# KiCad board Sofle_Pico_Panel.kicad_pcb (continued)
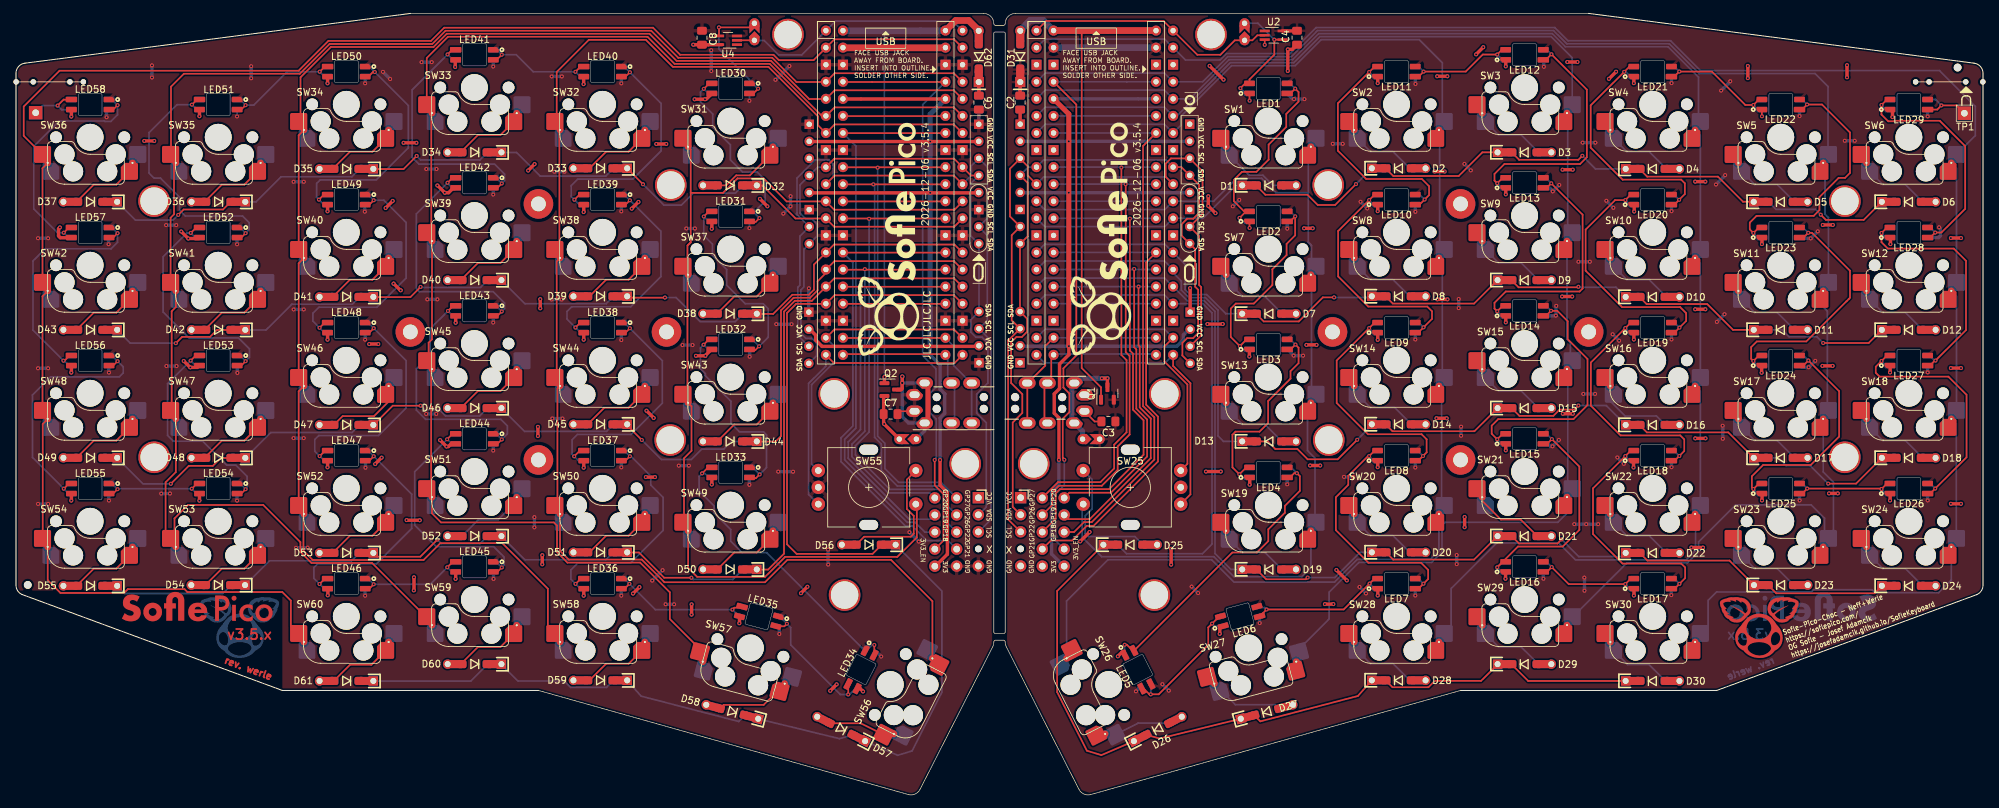
[diagram p0: board, top side]
## Routing (per net, layer and track width the routed paths; a pad name or vN(x,y) marks a point on that pad's centre or on a via; arc(x,y) is an arc through that point) (continued)
/Sec/col3: length 207.9
  Top w0.25: 102.14,19.75 102.14,21.22 97.25,26.12 97.25,30.1 92.82,34.52 82.01,34.52 80.46,36.07 80.46,40.03 80,40.5 63.22,40.5 61.86,41.85 61.86,44.24 ; 61.75,63.17 61.75,44.35 ; 61.86,82.34 61.86,67.75 61.36,67.25 61.36,63.79 61.86,63.29 ; 140.77,100.97 139.48,102.27 121.75,102.27 120.45,100.97 ; 61.86,101.39 61.09,102.16 61.09,109.61 64.25,112.77 93.92,112.77 97.95,108.75 112.1,108.75 119.87,100.97 120.2,100.97 ; 61.76,101.29 61.76,84.27
/Sec/col4: length 214.7
  Top w0.25: 80.81,79.94 80.81,98.79 ; 140.77,98.43 139.48,99.73 121.75,99.73 120.45,98.43 119.27,99.61 119.27,100.93 111.91,108.3 97.7,108.3 93.67,112.32 85.2,112.32 80.41,107.54 80.41,99.39 80.91,98.89 ; 137.2,19.26 136.29,20.16 136.29,28.78 130.15,34.92 114.72,34.92 111.4,31.6 96.44,31.6 93.07,34.97 82.2,34.97 80.91,36.25 80.91,41.74 80.52,42.13 80.52,60.4 80.91,60.79 80.41,61.29 80.41,79.34 80.91,79.84
  Bottom w0.25: 135.52,21.51 136.29,20.74 136.29,20.23
/Sec/col5: length 148.2
  Top w0.25: 99.96,96.39 100.35,96 100.35,89.55 ; 99.97,81.8 100.35,82.18 ; 99.97,81.8 99.86,81.7 99.86,58.39 ; 99.97,81.8 100.35,82.18 ; 99.96,58.29 100.46,57.79 100.46,51.16 99.35,50.05 99.35,40.65 ; 99.96,39.24 99.96,33.74 101.31,32.4 111.41,32.4 114.38,35.37 131.07,35.37 133.97,38.27 133.97,43.05 ; 100.35,82.18 100.35,89.55 ; 140.77,88.23 139.58,87.04 121.69,87.04 120.45,88.27 114.61,88.27 111.19,91.7 107.3,91.7 105.15,89.55 100.35,89.55
/Sec/enca: length 43.5
  Top w0.25: 140.77,67.95 139.51,69.22 121.72,69.22 120.45,67.95
  Bottom w0.25: 119.32,48.2 118.32,49.2 118.32,61 121.75,64.42 121.75,66.66 120.45,67.95
/Sec/encb: length 45.2
  Top w0.25: 120.45,65.41 121.64,64.22 139.58,64.22 140.77,65.41
  Bottom w0.25: 120.45,65.41 120.45,63.76 117.87,61.18 117.87,44.65 119.32,43.2
/Sec/ENCB_SW: length 19.6
  Top w0.25: 133.82,48.2 132.5,46.87 132.5,42.5 133.52,41.47 133.52,38.81 133.08,38.37 126.14,38.37 124.92,37.16
/Sec/gp18: length 15.2
  Top w0.25: 138.23,73.03 122.99,73.03
/Sec/gp19: length 58.4
  Top w0.25: 138.23,75.57 122.99,75.57
  Bottom w0.25: 136.65,41.59 136.04,40.97 132.85,40.97 123.77,50.05 123.77,52.5 125.6,54.32 v1(125.6,75.57)
/Sec/gp20: length 58.8
  Top w0.25: 122.99,78.11 138.23,78.11
  Bottom w0.25: 136.65,44.13 135.88,44.9 129.71,44.9 124.32,50.28 124.32,52.15 126.24,54.06 126.24,78.18 v1(126.25,78.19)
/Sec/gp21: length 70.3
  Top w0.25: 138.23,80.65 122.99,80.65
  Bottom w0.25: 122.99,80.65 124.46,79.18 124.46,54.86 122.7,53.1 122.7,49.55 132.27,39.97 133.3,39.97 135.48,37.79 138.62,37.79 139.9,36.51
/Sec/gp22: length 73.2
  Top w0.25: 138.23,85.73 122.99,85.73
  Bottom w0.25: v1(126.88,85.68) 126.88,66.09 126.87,66.09 126.87,53.95 124.85,51.92 124.85,50.55 129.97,45.42 137.29,45.42 137.92,44.79 137.92,41.03 139.9,39.05
/Sec/gp26: length 73.4
  Top w0.25: 138.23,90.81 122.99,90.81
  Bottom w0.25: 139.9,41.59 138.43,43.06 138.43,44.97 137.47,45.93 131.06,45.93 128.7,48.3 128.7,52.16 127.7,53.16 127.7,90.63 v1(127.51,90.81)
/Sec/gp27: length 73
  Top w0.25: 122.99,93.35 138.23,93.35
  Bottom w0.25: 139.9,44.13 137.57,46.47 131.27,46.47 129.22,48.51 129.22,52.27 128.15,53.35 v1(128.15,93.3)
/Sec/gp28: length 83.2
  Top w0.25: 138.23,98.43 122.99,98.43
  Bottom w0.25: 122.99,98.43 124.92,96.5 124.92,54.55 123.25,52.87 123.25,49.82 132.55,40.52 133.71,40.52 135.18,39.05 136.65,39.05
/Sec/LED: length 37.1
  Top w0.25: 109.82,112.25 107.23,112.25
  Bottom w0.25: 109.82,112.22 111.27,112.22 113.42,110.07 116.85,110.07 121.88,115.1 139.35,115.1 140.77,113.67
/Sec/LEDOUT: length 20.5
  Top w0.25: LED30.2 109.67,104.34 v1(110.37,105.05) ; 110.38,114.17 v1(104.55,114.17) 104.55,112.92
  Bottom w0.25: 109.09,105.82 109.09,106.4 104.55,110.95 v1(104.55,114.17) ; LED30.2 109.53,105.84 110.32,105.05 v1(110.37,105.05)
/Sec/row0: length 131.7
  Top w0.25: 34.1,88.19 31.9,88.19 30.78,87.07 24.93,87.07 v1(24.13,86.27) ; v1(59.59,95.04) 57.64,93.09 53.15,93.09 ; 140.77,85.73 139.55,84.51 121.68,84.51 120.45,85.73 115.95,85.73 111.05,90.63 110.17,90.63 ; v1(93.25,90.82) 90.9,93.17
  Bottom w0.25: v1(59.59,95.04) 60.18,94.45 68.99,94.45 70.1,95.55 ; v1(24.13,86.27) 23.36,85.5 17.74,85.5 15.05,88.19 ; 88.85,93.17 87.71,92.04 77.97,92.04 74.46,95.55 72.2,95.55 ; 108.12,90.63 106.99,89.5 100.72,89.5 98.94,87.71 96.36,87.71 v1(93.25,90.82) ; 34.12,88.21 35.69,88.21 39.42,91.94 49.95,91.94 51.1,93.09
/Sec/row1: length 130.9
  Top w0.25: 53.15,74.04 58.66,74.04 v1(60.17,75.55) ; v1(23.77,67.18) 24.7,68.11 28.85,68.11 29.88,69.14 32.05,69.14 ; 110.17,71.53 112.61,71.53 115.46,74.38 117.92,74.38 118.67,75.13 118.67,78.87 121.66,81.86 139.57,81.86 140.77,80.65 ; v1(96.51,73.97) 96.5,73.95 91.08,73.95
  Bottom w0.25: 108.12,71.53 106.98,70.39 101.75,70.39 98.17,73.97 v1(96.51,73.97) ; 51.1,74.04 50.03,72.97 41.01,72.97 37.18,69.14 34.1,69.14 ; 72.2,76.54 75.69,73.05 87.77,73.05 88.85,74.12 ; v1(60.17,75.55) 60.25,75.47 69.08,75.47 70.15,76.54 ; v1(23.77,67.18) 17.01,67.18 15.05,69.14
/Sec/row2: length 151.1
  Top w0.25: v1(23.02,46.25) 25.69,48.92 29.28,48.92 30.45,50.09 32.05,50.09 ; 120.45,77.62 119.22,76.4 119.22,75.05 118.11,73.93 115.65,73.93 113.77,72.06 113.77,53.35 112.96,52.53 110.17,52.53 ; 120.45,78.11 121.72,79.38 139.51,79.38 140.77,78.11 ; v1(60.17,57.87) 56.03,57.87 53.15,54.99 ; v1(93.07,52.77) 90.9,54.94
  Bottom w0.25: v1(23.02,46.25) 18.89,46.25 15.05,50.09 ; 70.1,57.49 68.95,56.34 63.89,56.34 62.96,57.27 60.77,57.27 v1(60.17,57.87) ; 72.2,57.49 75.64,54.05 87.82,54.05 88.85,55.07 ; v1(93.07,52.77) 95.98,49.87 100.43,49.87 101.97,51.41 105.25,51.41 106.38,52.53 108.07,52.53 ; 51.1,54.99 49.99,53.88 37.89,53.88 34.1,50.09
/Sec/row3: length 163.1
  Top w0.25: 53.69,35.4 60.12,35.4 v1(62.67,37.95) ; 90.9,36.02 92.65,36.02 96.4,32.27 v1(100.45,32.27) ; 140.77,75.57 139.52,76.82 121.7,76.82 118.36,73.48 115.83,73.48 114.22,71.87 114.22,35.85 111.86,33.48 110.17,33.48
  Bottom w0.25: 31.96,31.15 30.74,29.93 16.16,29.93 15.05,31.04 ; 88.8,36.02 87.72,34.95 75.69,34.95 72.2,38.44 ; 51.05,35.94 49.91,34.8 37.71,34.8 34.06,31.15 ; 70.1,38.44 69,37.34 63.28,37.34 v1(62.67,37.95) ; v1(100.45,32.27) 100.7,32.02 106.61,32.02 108.07,33.48
/Sec/row4: length 189.9
  Top w0.25: 140.77,73.03 139.48,74.33 121.75,74.33 120.45,73.03 116.03,73.03 114.67,71.67 114.67,37.25 116.1,35.82 127.39,35.82 128.72,37.16
  Bottom w0.25: 72.2,19.39 72.2,19.35 74.65,16.9 81.53,16.9 82.48,15.95 87.83,15.95 88.85,16.97 ; 90.9,16.97 92.97,14.65 107.49,10.87 108.41,11.79 ; 124.46,8.86 122.45,8.32 110.39,11.26 ; 126.29,7.93 131.12,5.85 133.27,6.5 137.7,15.22 137.7,30.28 130.82,37.16 ; 70.15,19.39 67.65,16.89 53.15,16.89
/Sec/RX: length 29.5
  Top w0.25: 138.23,67.95 122.99,67.95
  Bottom w0.25: 142.13,61.23 142.13,55.28 ; 142.06,61.23 139.47,63.82 139.47,66.72 138.23,67.95
/Sec/SCL: length 122.9
  Top w0.25: U3.10 139.49,92.12 121.73,92.12 U3.10
  Bottom w0.25: 120.45,90.81 U3.10 121.53,91.91 121.53,93.82 120.9,94.45 118.85,94.45 116.15,91.75 116.15,86.53 116.07,86.46 116.07,86.39 117.98,84.49 116.59,83.09 116.59,75.81 116.27,75.5 116.27,68.33 117.91,66.69 ; 143.13,39.07 145,40.94 145,67.55 143.22,69.33 144.45,70.57 144.45,83.22 143.19,84.49 144.47,85.77 144.47,93.39 J8.2 142.09,93.57 142.09,92.15 U3.10 140.77,90.81
/Sec/SDA: length 115.8
  Top w0.25: J8.1 142.02,92.13 U3.9 139.52,94.63 121.7,94.63 U3.9
  Bottom w0.25: 140.8,93.35 140.77,93.35 ; J8.1 142,90.95 142,83.13 143.19,81.95 ; 120.45,93.35 119.22,93.35 116.6,90.73 116.6,86.52 117.45,85.67 118.37,85.67 119.17,84.87 119.17,83.14 117.17,81.14 117.17,75.55 116.72,75.09 116.72,68.65 117.47,67.9 118.37,67.9 119.07,67.19 119.07,65.31 117.91,64.15 ; 143.22,81.92 143.22,71.85 142.01,70.64 142.01,68.82 142.76,68.07 143.68,68.07 144.55,67.2 144.55,61.25 142.88,59.59 142.88,56.77 144.31,55.34 144.31,42.79 143.13,41.61
/Sec/TX: length 23.3
  Top w0.25: 123.13,65.55 138.1,65.55
  Bottom w0.25: 138.57,65.07 138.57,61.79 ; 139.58,60.78 139.58,55.73
VDC: length 209.6
  Top w0.5: v1(63.77,89.57) 64.33,89.57 64.96,90.2 65.32,90.2 ; v1(63.77,89.57) 63.77,89.58 ; v1(63.77,89.57) 62.69,90.65 v1(62.67,90.65) ; v1(95.22,96.82) v1(96.71,96.82) ; v1(117.7,30.92) v1(116.74,29.97) ; v1(56.15,76.03) 56.18,76.07 56.18,76.02 57.17,75.04 v1(57.21,75.04) 57.25,75.04 ; 8.24,44.72 8.24,43.76 v1(8.22,43.75) ; v1(121.09,15.44) v1(122.05,16.4) ; v1(102.47,103.48) 100.92,103.48 ; v1(100.72,111.6) C8.1 102.98,111.6 102.98,111.6 104.99,111.6 ; 27.17,82.75 v1(25.62,82.75) v1(24.57,83.8) ; LED43.3 65.39,70.23 v1(65.38,70.22) ; 102.65,103.48 103.49,104.32 ; 65.39,52.17 64.69,52.17 64.32,51.8 v1(64.02,51.8) v1(63.07,52.75) ; JP3.2 v1(129.12,55.14) 129.03,55.23 C7.1 129.03,59.2 Q2.2 ; 84.44,87.67 84.44,86.71 v1(84.42,86.7) ; v1(107.57,25.5) 107.6,25.52 107.6,26.5 ; 84.42,106.7 84.42,105.74 v1(84.41,105.73) ; v1(100.48,28.31) 100.48,26.79 v1(100.47,26.79) ; v1(59.16,30.39) 59.19,30.41 v1(59.19,32.34) ; v1(59.55,97) v1(57.65,97) ; v1(103.47,46.15) 103.49,46.16 103.49,47.12 ; 143.2,104 143.2,106 ; v1(6.52,84.4) 6.32,84.2 6.32,83.14 6.59,82.87 8.24,82.87 ; v1(46.32,105.85) 46.34,105.86 46.34,106.82 ; 46.37,30.62 46.37,29.67 v1(46.36,29.65) ; v1(65.31,108.28) 65.32,108.29 65.32,109.25 ; v1(101.12,65.3) v1(102.52,65.3) 102.52,65.35 103.39,66.22 ; 27.09,63.72 26.94,63.57 v1(25.92,63.57) 25.9,63.57 v1(24.95,64.52) ; v1(92.57,88.2) v1(91.57,87.2) ; 84.44,49.62 84.44,48.66 v1(84.42,48.65) ; v1(125.97,15.35) 125.58,15.74 125.09,15.74 ; v1(76.17,92.87) v1(77.13,93.83) ; v1(65.37,32.1) 65.39,32.11 65.39,33.07 ; v1(53.88,67.05) v1(52.52,67.05) ; C1.1 149.34,106.02 ; v1(60.05,40.82) 58.12,40.82 v1(58.1,40.85) ; 46.34,49.67 46.34,48.71 v1(46.32,48.7) ; v1(46.32,67.7) 46.34,67.71 46.34,68.67 ; 84.44,68.67 84.44,67.71 v1(84.42,67.7) ; v1(53.42,49.19) v1(54.37,50.15) ; v1(91.77,29.91) v1(92.72,30.87) ; v1(77.97,73.72) v1(77.97,72.37) ; v1(78.27,35.62) v1(78.27,34.27) ; 103.49,85.27 103.49,84.21 v1(103.47,84.2) ; v1(110.64,88.65) 111.75,87.55 v1(111.75,87.55) ; v1(93.77,57.13) 94.84,56.06 v1(94.84,56.05) ; v1(19.07,97.27) v1(20.56,97.27) ; 188.38,113.65 190.49,113.65 ; v1(27.27,43.75) 27.29,43.76 27.29,44.72 ; 27.29,101.92 27.29,100.96 v1(27.27,100.95) ; v1(77.62,54.72) v1(77.62,53.37) ; 8.24,63.77 8.24,62.81 v1(8.22,62.8) ; v1(95.03,47.25) v1(93.67,47.25) ; v1(46.32,86.8) 46.34,86.81 46.34,87.77 ; 84.44,30.57 84.44,29.61 v1(84.42,29.6) ; v1(54.97,87.3) v1(56.02,88.35) ; 8.24,101.87 8.24,100.91 v1(8.22,100.9)
  Top w1: 138.23,111.13 122.99,111.13
  Bottom w0.5: v1(246.22,67.72) 246.2,67.74 246.2,68.69 ; v1(254.96,106.16) 254.96,106.12 v1(253.59,104.76) ; v1(214.92,54.75) v1(214.92,53.39) ; v1(197.51,47.27) v1(198.87,47.27) ; LED21.3 246.2,105.89 v1(246.22,105.87) ; v1(166.57,15.37) 166.97,15.77 LED5.3 ; 265.37,82.77 v1(266.92,82.77) v1(267.97,83.82) ; v1(171.45,15.46) v1(170.49,16.42) ; v1(191.42,65.32) v1(190.02,65.32) 190.02,65.37 189.15,66.24 ; 284.3,63.79 284.3,62.84 v1(284.32,62.82) ; v1(174.84,30.95) v1(175.8,29.99) ; v1(214.57,73.75) v1(214.57,72.39) ; v1(252.83,90.79) 254.19,92.15 v1(254.19,92.19) ; 284.3,101.89 284.3,100.94 v1(284.32,100.92) ; v1(273.47,97.3) v1(271.99,97.3) ; 208.1,30.59 208.1,29.64 v1(208.12,29.62) ; LED2.3 189.05,84.24 v1(189.07,84.22) ; v1(233,97.02) v1(234.9,97.02) ; v1(229.07,72.72) 229.02,72.72 229.05,72.69 229.05,71.3 v1(229.02,71.27) 228.99,71.24 LED14.3 ; 227.22,90.22 228.12,90.22 228.56,89.78 v1(228.56,89.76) v1(229.52,90.72) ; v1(184.97,25.52) 184.94,25.55 LED6.3 ; 284.3,44.74 284.3,43.79 v1(284.32,43.77) ; v1(227.17,32.12) 227.15,32.14 227.15,33.09 ; v1(233.25,32.29) 233.27,32.26 v1(233.27,30.34) ; v1(235.31,40.24) v1(233.53,40.24) v1(231.75,40.24) ; LED20.3 246.2,86.84 v1(246.22,86.82) ; v1(238.43,67.54) v1(237.47,68.5) ; 208.1,87.69 208.1,86.74 v1(208.12,86.72) ; v1(199.97,88.22) v1(200.97,87.22) ; 143.2,103.98 143.2,106 ; 227.22,109.27 227.22,108.32 v1(227.23,108.3) ; v1(286.02,84.42) 286.22,84.22 286.22,83.16 285.95,82.89 LED28.3 ; 189.89,103.5 LED1.3 ; LED15.3 227.85,52.19 228.22,51.82 v1(228.52,51.82) v1(229.47,52.77) ; v1(208.13,105.75) 208.12,105.77 208.12,106.72 ; v1(214.27,35.65) v1(214.27,34.29) ; 246.17,30.65 246.17,29.69 v1(246.18,29.68) ; LED22.3 265.25,100.99 v1(265.27,100.97) ; 265.45,63.75 265.6,63.6 v1(266.62,63.6) 266.64,63.6 v1(267.59,64.55) ; v1(200.78,29.94) v1(199.82,30.9) ; v1(234.85,59.62) v1(233.1,59.62) ; v1(208.12,48.67) 208.1,48.69 208.1,49.64 ; 208.1,68.69 208.1,67.74 v1(208.12,67.72) ; LED18.3 246.2,48.74 v1(246.22,48.72) ; v1(197.32,96.85) v1(195.84,96.85) ; v1(180.97,87.54) v1(181.93,88.5) ; v1(253.82,54.89) 253.85,54.87 v1(253.85,52.94) ; v1(190.07,103.5) 191.63,103.5 ; v1(239.13,49.21) v1(238.17,50.17) ; v1(189.07,46.17) 189.05,46.19 189.05,47.14 ; v1(252.97,70.34) 252.97,70.35 v1(254.1,71.49) ; v1(234.07,79.3) v1(232.37,79.3) ; v1(237.57,87.32) v1(236.52,88.37) ; 265.25,44.74 265.25,43.79 v1(265.27,43.77) ; v1(216.37,92.9) v1(215.41,93.85) ; C2.1 149.34,106.02
  Bottom w1: U1.39 U1.39
  vias: v1(100.92,103.47) v1(191.62,103.5)
Net-(D1-A): length 11
  Top w0.25: SW1.2 179.97,96.88
  Bottom w0.25: D1.2 186.95,90.66 185.43,92.17 183.41,92.17 SW1.2 ; SW1.2 179.97,95.61
Net-(D2-A): length 11
  Top w0.25: SW2.2 199.02,99.38
  Bottom w0.25: 207.32,93.16 204.79,95.69 201.44,95.69 SW2.2 ; SW2.2 199.02,98.11
Net-(D3-A): length 11
  Top w0.25: SW3.2 218.07,101.88
  Bottom w0.25: 226.37,95.66 223.84,98.19 220.49,98.19 SW3.2 ; SW3.2 218.07,100.61
Net-(D4-A): length 11
  Top w0.25: SW4.2 237.12,99.38
  Bottom w0.25: SW4.2 239.54,95.69 242.89,95.69 245.42,93.16 ; SW4.2 237.12,98.11
Net-(D5-A): length 12.1
  Top w0.25: SW5.2 256.17,94.48
  Bottom w0.25: D5.2 265.46,88.21 ; SW5.2 256.17,93.21 ; SW5.2 258.59,90.79 261.94,90.79 264.47,88.26
Net-(D6-A): length 11
  Top w0.25: SW6.2 275.22,94.48
  Bottom w0.25: 283.52,88.26 280.99,90.79 277.64,90.79 SW6.2 ; SW6.2 275.22,93.21
Net-(D7-A): length 11
  Top w0.25: SW7.2 179.97,77.83
  Bottom w0.25: 188.27,71.61 185.74,74.14 182.39,74.14 SW7.2 ; SW7.2 179.97,76.56
Net-(D8-A): length 11
  Top w0.25: SW8.2 199.02,80.33
  Bottom w0.25: 207.32,74.11 204.79,76.64 201.44,76.64 SW8.2 ; SW8.2 199.02,79.06
Net-(D9-A): length 11
  Top w0.25: SW9.2 218.07,82.83
  Bottom w0.25: SW9.2 218.07,81.56 ; 226.37,76.61 223.84,79.14 220.49,79.14 SW9.2
Net-(D10-A): length 11
  Top w0.25: SW10.2 237.12,80.33
  Bottom w0.25: SW10.2 239.54,76.64 242.89,76.64 245.42,74.11 ; SW10.2 237.12,79.06
Net-(D11-A): length 12.2
  Top w0.25: SW11.2 256.17,75.43
  Bottom w0.25: SW11.2 256.17,74.16 ; 264.28,69.16 265.53,69.16 ; 264.47,69.21 261.94,71.74 258.59,71.74 SW11.2
Net-(D12-A): length 11
  Top w0.25: SW12.2 275.22,75.43
  Bottom w0.25: 283.52,69.21 280.99,71.74 277.64,71.74 SW12.2 ; SW12.2 275.22,74.16
Net-(D13-A): length 10.4
  Bottom w0.25: 180.43,57.84 SW13.2 ; SW13.2 182.39,55.09 185.74,55.09 D13.2
Net-(D14-A): length 11.3
  Bottom w0.25: SW14.2 199.02,60.01 201.44,57.59 205.06,57.59 D14.2
Net-(D15-A): length 11
  Top w0.25: SW15.2 218.07,63.78
  Bottom w0.25: SW15.2 220.49,60.09 223.84,60.09 226.37,57.56 ; SW15.2 218.07,62.51
Net-(D16-A): length 13
  Bottom w0.25: SW16.2 237.12,58.52 239.3,56.35 243.96,56.35 D16.2 ; 245.17,55.04 246.28,55.04
Net-(D17-A): length 11
  Top w0.25: SW17.2 256.17,56.38
  Bottom w0.25: SW17.2 256.17,55.11 ; SW17.2 258.59,52.69 261.94,52.69 264.47,50.16
Net-(D18-A): length 11
  Top w0.25: SW18.2 275.22,56.38
  Bottom w0.25: 283.52,50.16 280.99,52.69 277.64,52.69 SW18.2 ; SW18.2 275.22,55.11
Net-(D19-A): length 12.1
  Top w0.25: SW19.2 179.97,39.73
  Bottom w0.25: SW19.2 182.39,36.04 185.74,36.04 D19.2 ; 188.27,33.41 189.41,33.41 ; SW19.2 179.97,38.46
Net-(D20-A): length 11
  Top w0.25: SW20.2 199.02,42.23
  Bottom w0.25: SW20.2 201.44,38.54 204.79,38.54 207.32,36.01 ; SW20.2 199.02,40.96
Net-(D21-A): length 10.9
  Top w0.25: SW21.2 218.07,43.7 220.85,40.92 223.79,40.92 D21.2
Net-(D22-A): length 11
  Top w0.25: SW22.2 237.12,42.23
  Bottom w0.25: SW22.2 239.54,38.54 242.89,38.54 245.42,36.01 ; SW22.2 237.12,40.96
Net-(D23-A): length 11.6
  Top w0.25: SW23.2 256.17,37.33
  Bottom w0.25: 264.47,31.11 261.94,33.64 258.59,33.64 SW23.2 ; 256.63,36.39 SW23.2 256.17,36.06
Net-(D24-A): length 11
  Top w0.25: SW24.2 275.22,37.33
  Bottom w0.25: SW24.2 275.22,36.06 ; SW24.2 277.64,33.64 280.99,33.64 283.52,31.11
Net-(D26-A): length 9.6
  Top w0.25: SW26.1 160.81,9.03
  Bottom w0.25: D26.2 166.9,10.63 166.88,10.61 SW26.1
Net-(D27-A): length 12.6
  Top w0.25: 178.16,16.5 SW27.2
  Bottom w0.25: SW27.2 181.35,13.37 187.3,13.37 D27.2
Net-(D28-A): length 11
  Top w0.25: SW28.2 199.02,23.18
  Bottom w0.25: 207.32,16.96 204.79,19.49 201.44,19.49 SW28.2 ; SW28.2 199.02,21.91
Net-(D29-A): length 11
  Top w0.25: SW29.2 218.07,25.68
  Bottom w0.25: SW29.2 220.49,21.99 223.84,21.99 226.37,19.46 ; SW29.2 218.07,24.41
Net-(D30-A): length 13.8
  Top w0.25: SW30.2 237.12,23.18 SW30.2
  Bottom w0.25: SW30.2 237.58,22.24 SW30.2 239.68,19.35 242.86,19.35 D30.2 ; 245.19,16.91 246.41,16.91
Net-(D32-A): length 11
  Top w0.25: 112.57,96.38 112.57,95.58 ; 112.12,95.13 109.14,92.15 107.11,92.15 105.62,90.66 D32.2 104.27,90.63
  Bottom w0.25: 112.57,96.38 112.57,96.86
Net-(D33-A): length 12.4
  Top w0.25: 93.07,97.63 91.1,95.66 87.75,95.66 85.22,93.13 ; SW32.2 93.52,98.11 SW32.2 ; 93.52,98.88 93.52,98.08
  Bottom w0.25: 93.52,98.88 93.52,99.36
Net-(D34-A): length 11
  Top w0.25: 74.02,100.13 72.05,98.16 68.7,98.16 66.17,95.63 ; 74.47,101.38 74.47,100.58
  Bottom w0.25: 74.47,101.38 74.47,101.86
Net-(D35-A): length 11
  Top w0.25: 47.12,93.13 49.65,95.66 53,95.66 54.97,97.63 ; 55.42,98.88 55.42,98.08
  Bottom w0.25: 55.42,98.88 55.42,99.36
Net-(D36-A): length 12.1
  Top w0.25: 28.2,88.19 27.09,88.19 ; 28.07,88.23 30.6,90.76 33.95,90.76 35.92,92.73 ; 36.37,93.98 36.37,93.18
  Bottom w0.25: 36.37,93.98 36.37,94.46
Net-(D37-A): length 11
  Top w0.25: 9.02,88.23 11.55,90.76 14.9,90.76 16.87,92.73 ; 17.32,93.98 17.32,93.18
  Bottom w0.25: 17.32,93.98 17.32,94.46
Net-(D38-A): length 11
  Top w0.25: 112.12,76.08 110.15,74.11 106.8,74.11 104.27,71.58 ; 112.57,77.33 112.57,76.53
  Bottom w0.25: 112.57,77.33 112.57,77.81
Net-(D39-A): length 11
  Top w0.25: 93.07,78.58 91.1,76.61 87.75,76.61 85.22,74.08 ; 93.52,79.83 93.52,79.03
  Bottom w0.25: 93.52,79.83 93.52,80.31
Net-(D40-A): length 11
  Top w0.25: 74.02,81.08 72.05,79.11 68.7,79.11 66.17,76.58 ; 74.47,82.33 74.47,81.53
  Bottom w0.25: 74.47,82.33 74.47,82.81
Net-(D41-A): length 11
  Top w0.25: 47.12,74.08 49.65,76.61 53,76.61 54.97,78.58 ; 55.42,79.83 55.42,79.03
  Bottom w0.25: 55.42,79.83 55.42,80.31
Net-(D42-A): length 12.2
  Top w0.25: 36.37,74.93 36.37,74.13 ; 28.26,69.14 27.01,69.14 ; 28.07,69.18 30.6,71.71 33.95,71.71 35.92,73.68
  Bottom w0.25: 36.37,74.93 36.37,75.41
Net-(D43-A): length 11
  Top w0.25: 17.32,74.93 17.32,74.13 ; 9.02,69.18 11.55,71.71 14.9,71.71 16.87,73.68
  Bottom w0.25: 17.32,74.93 17.32,75.41
Net-(D44-A): length 10.8
  Top w0.25: 112.12,57.03 110.15,55.06 106.8,55.06 104.27,52.53 ; 112.12,57.82 112.57,58.28
  Bottom w0.25: 112.57,58.28 112.57,58.76
Net-(D45-A): length 11.3
  Top w0.25: 93.52,60.78 93.52,59.98 91.1,57.56 87.49,57.56 85,55.07
Net-(D46-A): length 11
  Top w0.25: 74.47,63.28 74.47,62.48 ; 74.02,62.03 72.05,60.06 68.7,60.06 66.17,57.53
  Bottom w0.25: 74.47,63.28 74.47,63.76
Net-(D47-A): length 13
  Top w0.25: 47.37,55.01 46.26,55.01 ; 47.25,54.99 48.58,56.32 53.25,56.32 55.42,58.5 55.42,60.78
Net-(D48-A): length 11
  Top w0.25: 36.37,55.88 36.37,55.08 ; 35.92,54.63 33.95,52.66 30.6,52.66 28.07,50.13
  Bottom w0.25: 36.37,55.88 36.37,56.36
Net-(D49-A): length 11
  Top w0.25: 9.02,50.13 11.55,52.66 14.9,52.66 16.87,54.63 ; 17.32,55.88 17.32,55.08
  Bottom w0.25: 17.32,55.88 17.32,56.36
Net-(D50-A): length 12.1
  Top w0.25: 104.27,33.48 106.8,36.01 110.15,36.01 112.12,37.98 ; 104.27,33.39 103.14,33.39 ; 112.57,39.23 112.57,38.43
  Bottom w0.25: 112.57,39.23 112.57,39.71
Net-(D51-A): length 11
  Top w0.25: 85.22,35.98 87.75,38.51 91.1,38.51 93.07,40.48 ; 93.52,41.73 93.52,40.93
  Bottom w0.25: 93.52,41.73 93.52,42.21
Net-(D52-A): length 10.9
  Bottom w0.25: 66.3,38.44 68.76,40.9 71.7,40.9 74.47,43.67 74.47,44.23
Net-(D53-A): length 11
  Top w0.25: 47.12,35.98 49.65,38.51 53,38.51 54.97,40.48 ; 55.42,41.73 55.42,40.93
  Bottom w0.25: 55.42,41.73 55.42,42.21
Net-(D54-A): length 11.6
  Top w0.25: 36.37,36.03 36.37,36.83 35.92,36.37 ; 28.07,31.08 30.6,33.61 33.95,33.61 35.92,35.58
  Bottom w0.25: 36.37,36.83 36.37,37.31
Net-(D55-A): length 11
  Top w0.25: 16.87,35.58 14.9,33.61 11.55,33.61 9.02,31.08 ; 17.32,36.83 17.32,36.03
  Bottom w0.25: 17.32,36.83 17.32,37.31
Net-(D57-A): length 9.6
  Top w0.25: 121.03,10.61 125.65,10.61 125.67,10.59 129.08,8.88
  Bottom w0.25: 130.56,9 131.74,9
Net-(D58-A): length 12.6
  Top w0.25: 104.69,12.79 105.25,13.35 111.19,13.35 114.32,16.48
  Bottom w0.25: 114.39,16.48 115.41,17.49
Net-(D59-A): length 11
  Top w0.25: 85.22,16.93 87.75,19.46 91.1,19.46 93.07,21.43 ; 93.52,22.68 93.52,21.88
  Bottom w0.25: 93.52,22.68 93.52,23.16
Net-(D60-A): length 11
  Top w0.25: 74.02,23.93 72.05,21.96 68.7,21.96 66.17,19.43 ; 74.47,25.18 74.47,24.38
  Bottom w0.25: 74.47,25.18 74.47,25.66
Net-(D61-A): length 13.8
  Top w0.25: 47.25,16.89 49.68,19.32 52.86,19.32 54.97,21.43 54.97,22.22 55.42,22.68 ; 47.35,16.89 46.14,16.89
  Bottom w0.25: 55.42,22.68 55.42,23.16 56.21,23.94
Net-(JP1-A): length 16.5
  Top w0.5: Q1.3 v1(162.32,61.95) v1(161.5,61.95)
  Bottom w0.75: v1(162.32,61.95) 158.1,61.95 J2.2 157.02,60.87 157.02,55.67 158.63,54.07 JP1.1
Net-(JP3-A): length 24.9
  Top w0.5: v1(131.82,62.2) 131.81,62.19 v1(131.81,61.25) 131.8,61.24 131.8,60.42 131.65,60.27 Q2.3
  Top w0.75: J13.2 135.63,60.76 135.63,55.8 J13.2
  Bottom w0.5: JP3.1 135.13,54.13 J13.2 132.74,55.3 131.81,56.23 v1(131.81,61.25) ; v1(131.81,61.25) 131.81,61.25 J13.2 ; v1(131.81,61.25) 131.81,62.19 v1(131.82,62.2)
Net-(LED1-DOUT): length 30.2
  Top w0.25: v1(181.97,85.81) 182.85,86.7 ; LED2.2 182.65,86.79 181.12,88.32 181.12,91.46 182.33,92.67 184.48,92.67 186.3,94.48 186.3,96.72 188.92,99.35 188.92,101.3 190.75,103.12 190.75,104.55 v1(190.25,105.05) 189.62,104.43
  Bottom w0.25: v1(181.97,85.81) 182.53,85.26 183.54,85.26 ; v1(190.25,105.05) 189.43,105.87
Net-(LED2-DOUT): length 30.5
  Top w0.25: 189.45,85.26 v1(190.25,86.05) 190.25,83.23 188.97,81.95 188.97,80.29 186.85,78.17 186.85,75.83 184.1,73.07 181.42,73.07 180.67,72.32 180.67,68.09 v1(182.02,66.74) 182.9,67.62
  Bottom w0.25: 183.59,66.18 182.58,66.18 v1(182.02,66.74) ; v1(190.25,86.05) 189.6,86.7
Net-(LED3-DOUT): length 31.2
  Top w0.25: 189.5,66.18 v1(190.29,66.97) 190.75,66.5 190.75,64.2 189.55,63.01 189.55,61.89 186.22,58.56 186.22,55.29 184.94,54.01 181.37,54.01 180.92,53.56 180.92,48.69 v1(181.95,47.66) 182.83,48.55
  Bottom w0.25: 183.52,47.11 182.5,47.11 v1(181.95,47.66) ; v1(190.29,66.97) 189.63,67.62
Net-(LED4-DOUT): length 44.6
  Top w0.25: 166.18,21.33 165.22,22.3 v1(164.89,22.3) ; 189.39,47.11 190.11,47.83 v1(190.5,47.83) 190.95,47.38 190.95,45.2 188.72,42.97 188.72,41.94 186.25,39.47 186.25,37.72 184.55,36.02 180.9,36.02 166.32,21.44
  Bottom w0.25: v1(164.89,22.3) 164.89,20.71 ; v1(190.5,47.83) 189.78,48.55
Net-(LED5-DOUT): length 21.5
  Top w0.25: 167.52,15.96 168.56,14.92 v1(168.77,14.92) 169.95,14.92 177.32,22.29 177.32,24.87 v1(177.89,25.45) 178.91,26.46
  Bottom w0.25: 179.61,25.07 178.27,25.07 v1(177.89,25.45) ; v1(168.77,14.92) 168.77,16.45
Net-(LED6-DOUT): length 22.3
  Top w0.25: 201.97,32.06 v1(201.31,31.4) 197.46,27.55 v1(185.99,27.55) 184.89,26.44
  Bottom w0.25: 184.36,27.83 185.71,27.83 v1(185.99,27.55) ; v1(201.31,31.4) 201.31,31.38 202.07,30.62
Net-(LED7-DOUT): length 35.8
  Top w0.25: 201.98,51.11 v1(201.24,50.37) 201.09,50.37 198.14,47.42 198.14,46.09 196.3,44.25 196.3,39.34 201.15,34.5 208.97,34.5 210.02,33.45 210.02,32.07 v1(209.32,31.38) 208.56,30.62
  Bottom w0.25: v1(209.32,31.38) 208.64,32.06 ; v1(201.24,50.37) 201.95,49.67
Net-(LED8-DOUT): length 35.5
  Top w0.25: 208.59,49.71 v1(209.26,50.38) 209.8,50.92 209.8,52.87 209.05,53.62 201.07,53.62 196.42,58.27 196.42,64.6 v1(201.24,69.42) 201.98,70.16
  Bottom w0.25: v1(209.26,50.38) 208.49,51.15 ; v1(201.24,69.42) 201.95,68.72
Net-(LED10-DIN): length 36.4
  Top w0.25: 201.98,89.21 v1(201.24,88.47) 196.63,83.86 196.63,77.11 201.12,72.62 209.9,72.62 210.6,71.92 210.6,70.79 v1(209.34,69.53) 208.57,68.76
  Bottom w0.25: v1(209.34,69.53) 208.67,70.2 ; v1(201.24,88.47) 201.95,87.77
Net-(LED10-DOUT): length 36.7
  Top w0.25: 208.71,87.77 v1(209.5,88.55) 210.16,89.21 210.16,90.54 209.09,91.61 200.81,91.61 196.6,95.82 196.6,102.87 v1(201.24,107.52) 201.98,108.26
  Bottom w0.25: 207.88,89.21 208.84,89.21 v1(209.5,88.55) ; v1(201.24,107.52) 201.95,106.82
Net-(LED11-DOUT): length 16.1
  Top w0.25: 208.62,106.86 v1(209.35,107.59) 215.61,107.59 218.15,110.13 v1(220.29,110.13) 221.03,110.87
  Bottom w0.25: v1(209.35,107.59) 208.64,108.3 ; v1(220.29,110.13) 221,109.43
Net-(LED12-DOUT): length 37.9
  Top w0.25: 221.03,91.71 v1(220.29,90.97) 219.89,91.38 219.89,92.36 221.37,93.84 232.62,93.84 233.62,94.85 233.62,104.91 v1(228.36,110.17) 227.66,109.47
  Bottom w0.25: v1(228.36,110.17) 227.62,110.91 ; v1(220.29,90.97) 221,90.27
Net-(LED13-DOUT): length 37.1
  Top w0.25: 221.03,72.66 v1(220.29,71.92) 219.89,72.33 219.89,73.18 221.57,74.87 232.55,74.87 233,75.31 233,86.3 v1(228.33,90.96) 227.68,90.31
  Bottom w0.25: v1(220.29,71.92) 221,71.22 ; v1(228.33,90.96) 227.54,91.75
Net-(LED14-DOUT): length 38.8
  Top w0.25: 227.57,71.26 v1(228.3,71.99) 229.23,71.99 230.77,70.45 230.77,67.77 233.72,64.82 233.72,57.96 231.63,55.87 220.45,55.87 219.47,54.9 219.47,53.69 v1(220.29,52.87) 221.03,53.61
  Bottom w0.25: v1(220.29,52.87) 221,52.17 ; v1(228.3,71.99) 227.59,72.7
Net-(LED15-DOUT): length 33.8
  Top w0.25: 227.73,52.21 v1(228.42,52.9) 232.51,48.81 232.51,39.39 230.04,36.91 223.38,36.91 v1(220.29,33.82) 221.03,34.56
  Bottom w0.25: v1(220.29,33.82) 221,33.12 ; v1(228.42,52.9) 227.67,53.65
Net-(LED16-DOUT): length 16.1
  Top w0.25: 227.71,33.16 v1(228.4,33.85) 230.93,31.32 v1(239.34,31.32) 240.08,32.06
  Bottom w0.25: v1(228.4,33.85) 227.65,34.6 ; v1(239.34,31.32) 240.05,30.62
Net-(LED17-DOUT): length 36.2
  Top w0.25: 246.7,30.66 v1(247.4,31.36) 248.25,32.21 248.25,33.8 247.67,34.37 238.94,34.37 234.54,38.76 234.54,45.57 v1(239.34,50.37) 240.08,51.11
  Bottom w0.25: v1(239.34,50.37) 240.05,49.67 ; v1(247.4,31.36) 246.66,32.1
Net-(LED18-DOUT): length 36.5
  Top w0.25: 240.08,70.16 v1(239.34,69.42) 234.22,64.3 234.22,57.87 238.64,53.45 247.52,53.45 248.11,52.86 248.11,51.12 v1(247.38,50.39) 246.7,49.71
  Bottom w0.25: v1(239.34,69.42) 240.05,68.72 ; v1(247.38,50.39) 246.62,51.15
Net-(LED19-DOUT): length 38
  Top w0.25: 240.08,89.21 v1(239.34,88.47) 237.84,88.47 233.45,84.08 233.45,77.96 238.86,72.55 247.5,72.55 248.4,71.65 248.4,70.49 v1(247.4,69.49) 246.67,68.76
  Bottom w0.25: v1(239.34,88.47) 240.05,87.77 ; v1(247.4,69.49) 246.69,70.2
Net-(LED20-DOUT): length 37.5
  Top w0.25: 240.68,108.26 239.88,108.26 v1(239.18,107.55) 234.2,102.57 234.2,96.26 238.95,91.51 247.66,91.51 248.2,90.97 248.2,89.36 v1(247.35,88.51) 246.65,87.81
  Bottom w0.25: v1(239.18,107.55) 239.45,107.55 240.18,106.82 ; v1(247.35,88.51) 246.61,89.25
Net-(LED21-DOUT): length 17.2
  Top w0.25: 259.13,103.36 v1(258.39,102.62) 257.2,102.62 252.23,107.59 247.39,107.59 v1(247.37,107.6) 246.63,106.86
  Bottom w0.25: v1(258.39,102.62) 259.1,101.92 ; v1(247.37,107.6) 246.68,108.3
Net-(LED22-DOUT): length 39.1
  Top w0.25: 259.13,84.31 v1(258.39,83.57) 257.86,84.11 257.86,85.12 258.86,86.12 267.36,86.12 268.22,86.98 268.22,88.92 271.07,91.77 272.02,91.77 272.76,92.51 272.76,98.53 268.6,102.69 v1(266.38,102.69) 265.65,101.96
  Bottom w0.25: v1(258.39,83.57) 259.1,82.87 ; v1(266.38,102.69) 265.67,103.4
Net-(LED23-DOUT): length 36.6
  Top w0.25: 259.13,65.26 v1(258.39,64.52) 258.07,64.85 258.07,66.59 258.91,67.43 266.26,67.43 272.22,73.4 272.24,73.4 272.57,73.73 272.57,73.74 272.76,73.93 272.76,77.96 267.12,83.6 v1(266.55,83.6) 265.86,82.91
  Bottom w0.25: v1(266.55,83.6) 265.8,84.35 ; v1(258.39,64.52) 259.1,63.82
Net-(LED24-DOUT): length 34.7
  Top w0.25: 259.13,46.21 v1(258.39,45.47) 258.17,45.7 258.17,47.37 259.85,49.05 266.93,49.05 271.15,53.27 271.15,60.03 v1(266.57,64.6) 265.83,63.86
  Bottom w0.25: v1(258.39,45.47) 259.1,44.77 ; v1(266.57,64.6) 265.87,65.3
Net-(LED25-DOUT): length 15.1
  Top w0.25: 265.67,44.81 v1(266.4,45.54) 277.37,45.54 v1(277.44,45.47) 278.18,46.21
  Bottom w0.25: v1(266.4,45.54) 265.69,46.25 ; v1(277.44,45.47) 278.15,44.77
Net-(LED26-DOUT): length 36.9
  Top w0.25: 284.71,44.81 v1(285.44,45.54) 290.1,50.2 290.1,59.5 287.4,62.2 277.17,62.2 276.6,62.77 276.6,63.67 v1(277.44,64.52) 278.18,65.26
  Bottom w0.25: v1(285.44,45.54) 284.73,46.25 ; v1(277.44,64.52) 278.15,63.82
Net-(LED27-DOUT): length 36.1
  Top w0.25: 284.66,63.86 285.39,64.59 v1(285.48,64.59) 290.02,69.13 290.02,79.43 288.2,81.25 278.4,81.25 277.44,82.21 v1(277.44,83.57) 278.18,84.31
  Bottom w0.25: v1(285.48,64.59) 285.34,64.59 284.63,65.3 ; v1(277.44,83.57) 278.15,82.87
Net-(LED28-DOUT): length 35.2
  Top w0.25: 278.18,103.36 v1(277.44,102.62) 277.44,101.2 278.44,100.2 279.33,100.2 279.4,100.27 286.12,100.27 289.9,96.5 289.9,87.18 286.36,83.64 v1(285.44,83.64) 284.71,82.91
  Bottom w0.25: v1(285.44,83.64) 284.73,84.35 ; v1(277.44,102.62) 278.15,101.92
Net-(LED29-DOUT): length 8.8
  Top w0.25: TP1.1 288.61,102.56 v1(286.36,102.56) 285.74,101.94 LED29.4
  Bottom w0.25: 284.16,103.44 285.48,103.44 v1(286.36,102.56)
Net-(LED30-DOUT): length 30.2
  Top w0.25: v1(102.29,105.03) 103.11,105.84 ; v1(110.57,85.79) 110.01,85.23 109,85.23
  Bottom w0.25: v1(110.57,85.79) 109.69,86.67 ; 109.09,86.77 LED31.2 109.88,86.79 111.42,88.34 111.42,91.44 110.21,92.65 108.06,92.65 106.25,94.46 106.25,96.7 103.62,99.32 103.62,101.27 101.8,103.1 101.8,104.53 v1(102.29,105.03) 102.92,104.4
Net-(LED31-DOUT): length 30.5
  Top w0.25: v1(102.29,86.03) 102.94,86.67 ; 108.95,66.16 109.96,66.16 v1(110.52,66.71)
  Bottom w0.25: 103.09,85.23 v1(102.29,86.03) 102.29,83.2 103.57,81.92 103.57,80.26 105.69,78.15 105.69,75.8 108.45,73.05 111.12,73.05 111.87,72.3 111.87,68.07 v1(110.52,66.71) 109.64,67.6
Net-(LED32-DOUT): length 31.2
  Top w0.25: v1(110.6,47.64) 110.04,47.08 109.02,47.08 ; v1(102.26,66.94) 102.91,67.6
  Bottom w0.25: 103.05,66.16 v1(102.26,66.94) 101.79,66.48 101.79,63.38 102.52,62.65 102.52,62.33 106.32,58.54 106.32,55.26 107.6,53.99 111.17,53.99 111.62,53.53 111.62,48.67 v1(110.6,47.64) 109.71,48.52
Net-(LED33-DOUT): length 44.6
  Top w0.25: v1(127.65,22.27) 127.65,20.68 ; v1(102.04,47.8) 102.76,48.52
  Bottom w0.25: v1(127.65,22.27) 127.32,22.27 126.36,21.31 ; 126.23,21.41 111.65,36 108,36 106.3,37.7 106.3,39.45 103.83,41.92 103.83,42.94 101.6,45.17 101.6,47.35 v1(102.04,47.8) 102.44,47.8 103.16,47.08
Net-(LED34-DOUT): length 21.5
  Top w0.25: v1(123.77,14.9) 123.77,16.43 ; 112.93,25.04 114.27,25.04 v1(114.65,25.42)
  Bottom w0.25: 113.64,26.43 v1(114.65,25.42) 115.23,24.85 115.23,22.27 122.59,14.9 v1(123.77,14.9) 123.98,14.9 125.02,15.93
Net-(LED35-DOUT): length 22.3
  Top w0.25: 108.18,27.8 106.83,27.8 v1(106.55,27.52) ; 90.47,30.59 91.23,31.35 v1(91.23,31.37)
  Bottom w0.25: 90.57,32.03 v1(91.23,31.37) 95.08,27.52 v1(106.55,27.52) 107.66,26.41
Net-(LED36-DOUT): length 35.8
  Top w0.25: v1(91.3,50.35) 90.59,49.64 ; v1(83.22,31.35) 83.9,32.03
  Bottom w0.25: 90.56,51.08 v1(91.3,50.35) 91.46,50.35 94.4,47.4 94.4,46.06 96.25,44.22 96.25,39.32 91.4,34.47 83.57,34.47 82.52,33.42 82.52,32.05 v1(83.22,31.35) 83.98,30.59
Net-(LED37-DOUT): length 36.9
  Top w0.25: LED37.4 83.87,51.19 v1(83.01,50.34) ; v1(91.3,69.4) 90.59,68.69
  Bottom w0.25: v1(83.01,50.34) 82.7,50.65 82.7,52.8 83.5,53.6 91.47,53.6 96.12,58.24 96.12,64.57 v1(91.3,69.4) 90.56,70.13 ; v1(83.01,50.34) 83.02,50.35 ; v1(83.01,50.34) 83.66,49.69 LED37.4
Net-(LED38-DOUT): length 36.4
  Top w0.25: v1(83.2,69.51) 83.87,70.18 ; v1(91.3,88.45) 90.59,87.74
  Bottom w0.25: 90.56,89.18 v1(91.3,88.45) 95.91,83.84 95.91,77.08 91.42,72.6 82.65,72.6 81.95,71.9 81.95,70.76 v1(83.2,69.51) 83.97,68.74
Net-(LED39-DOUT): length 36.5
  Top w0.25: v1(91.3,107.5) 90.59,106.79 ; v1(83.04,88.53) 83.7,89.18 84.66,89.18
  Bottom w0.25: 90.56,108.23 v1(91.3,107.5) 95.95,102.85 95.95,95.8 91.74,91.59 83.53,91.59 82.57,90.63 82.57,89 v1(83.04,88.53) 83.83,87.74
Net-(LED40-DOUT): length 16.1
  Top w0.25: v1(83.19,107.57) 83.9,108.28 ; v1(72.25,110.11) 71.54,109.4
  Bottom w0.25: 71.51,110.84 v1(72.25,110.11) 74.39,110.11 76.93,107.57 v1(83.19,107.57) 83.92,106.84
Net-(LED41-DOUT): length 37.9
  Top w0.25: v1(72.25,90.95) 71.54,90.24 ; v1(64.18,110.15) 64.92,110.89
  Bottom w0.25: 71.51,91.68 v1(72.25,90.95) 72.65,91.35 72.65,92.34 71.17,93.82 59.93,93.82 58.92,94.82 58.92,104.88 v1(64.18,110.15) 64.88,109.45
Net-(LED42-DOUT): length 37.3
  Top w0.25: v1(64.18,91.05) 64.85,91.73 65,91.73 ; v1(72.25,71.9) 71.54,71.19
  Bottom w0.25: 64.86,90.29 64.18,90.97 v1(64.18,91.05) 59.55,86.42 59.55,75.29 59.99,74.84 70.97,74.84 72.65,73.16 72.65,72.3 v1(72.25,71.9) 71.51,72.63
Net-(LED43-DOUT): length 37.6
  Top w0.25: v1(72.25,52.85) 71.54,52.14 ; v1(64.24,71.97) 64.95,72.68
  Bottom w0.25: 64.97,71.24 v1(64.24,71.97) 61.57,69.29 61.57,65.39 59.54,63.36 59.54,57.22 60.91,55.85 72.1,55.85 73.07,54.87 73.07,53.67 v1(72.25,52.85) 71.51,53.58
Net-(LED44-DOUT): length 35.8
  Top w0.25: v1(72.25,33.8) 71.54,33.09 ; v1(64.12,52.88) 64.87,53.63
  Bottom w0.25: 71.51,34.53 v1(72.25,33.8) 72.59,34.14 72.59,35.34 71.04,36.89 62.51,36.89 59.3,40.1 59.3,48.05 63.32,52.08 63.33,52.08 64.12,52.87 v1(64.12,52.88) 64.81,52.19
Net-(LED45-DOUT): length 16.1
  Top w0.25: v1(64.14,33.83) 64.89,34.58 ; v1(53.2,31.3) 52.49,30.59
  Bottom w0.25: 64.83,33.14 v1(64.14,33.83) 61.61,31.3 v1(53.2,31.3) 52.46,32.03
Net-(LED46-DOUT): length 36.9
  Top w0.25: v1(53.2,50.35) 52.49,49.64 ; v1(45.14,31.34) 45.88,32.08
  Bottom w0.25: 52.46,51.08 v1(53.2,50.35) 58.85,44.7 58.85,39.59 53.61,34.35 44.87,34.35 44.3,33.77 44.3,32.18 v1(45.14,31.34) 45.84,30.64
Net-(LED47-DOUT): length 36.2
  Top w0.25: v1(45.16,50.37) 45.92,51.13 ; v1(53.2,69.4) 52.49,68.69
  Bottom w0.25: 52.46,70.13 v1(53.2,69.4) 58.01,64.58 58.01,57.54 53.9,53.43 45.03,53.43 44.43,52.83 44.43,51.1 v1(45.16,50.37) 45.84,49.69
Net-(LED48-DOUT): length 37.1
  Top w0.25: v1(45.14,69.47) 45.85,70.18 ; v1(53.2,88.45) 52.49,87.74
  Bottom w0.25: 52.46,89.18 v1(53.2,88.45) 54.71,88.45 58.01,85.14 58.01,76.85 53.68,72.52 45.05,72.52 44.15,71.62 44.15,70.46 v1(45.14,69.47) 45.87,68.74
Net-(LED49-DOUT): length 37.2
  Top w0.25: 52.36,106.79 53.09,107.53 v1(53.36,107.53) ; 45.93,89.23 45.74,89.23 v1(45.05,88.54)
  Bottom w0.25: 45.89,87.79 45.8,87.79 v1(45.05,88.54) 44.71,88.88 44.71,90.95 45.25,91.49 53.6,91.49 58.35,96.24 58.35,102.54 v1(53.36,107.53) 52.66,108.23 51.86,108.23
Net-(LED50-DOUT): length 17.2
  Top w0.25: v1(45.17,107.58) 45.87,108.28 ; v1(34.15,102.6) 33.44,101.89
  Bottom w0.25: 33.41,103.33 v1(34.15,102.6) 35.34,102.6 40.31,107.57 45.16,107.57 v1(45.17,107.58) 45.91,106.84
Net-(LED51-DOUT): length 39.1
  Top w0.25: v1(34.15,83.55) 33.44,82.84 ; v1(26.16,102.67) 26.87,103.38
  Bottom w0.25: 26.89,101.94 v1(26.16,102.67) 23.94,102.67 19.78,98.51 19.78,92.49 20.52,91.75 21.47,91.75 24.32,88.9 24.32,86.96 25.18,86.1 33.68,86.1 34.68,85.1 34.68,84.08 v1(34.15,83.55) 33.41,84.28
Net-(LED52-DOUT): length 35.1
  Top w0.25: v1(34.15,64.5) 33.44,63.79 ; v1(25.99,83.58) 26.74,84.33
  Bottom w0.25: 26.68,82.89 v1(25.99,83.58) 25.42,83.58 21.87,80.02 21.87,71.82 25.73,67.96 33.09,67.96 34.72,66.33 34.72,65.07 v1(34.15,64.5) 33.41,65.23
Net-(LED53-DOUT): length 33
  Top w0.25: v1(25.97,64.58) 26.67,65.28 ; v1(34.15,45.45) 33.44,44.74
  Bottom w0.25: 33.41,46.18 v1(34.15,45.45) 34.37,45.67 34.37,47.35 32.69,49.03 31.33,49.03 27.77,52.59 23.4,52.59 22.54,53.45 22.54,61.15 v1(25.97,64.58) 26.71,63.84
Net-(LED54-DOUT): length 15.1
  Top w0.25: v1(15.1,45.45) 14.39,44.74 ; v1(26.14,45.52) 26.85,46.23
  Bottom w0.25: 14.36,46.18 v1(15.1,45.45) 15.17,45.52 v1(26.14,45.52) 26.87,44.79
Net-(LED55-DOUT): length 36.9
  Top w0.25: v1(15.1,64.5) 14.39,63.79 ; v1(7.1,45.52) 7.81,46.23
  Bottom w0.25: 7.83,44.79 v1(7.1,45.52) 2.45,50.17 2.45,59.47 5.15,62.17 15.37,62.17 15.95,62.75 15.95,63.65 v1(15.1,64.5) 14.36,65.23
Net-(LED56-DOUT): length 36.1
  Top w0.25: v1(15.1,83.55) 14.39,82.84 ; v1(7.06,64.57) 7.2,64.57 7.91,65.28
  Bottom w0.25: 14.36,84.28 v1(15.1,83.55) 15.1,82.18 14.14,81.23 4.34,81.23 2.52,79.4 2.52,69.11 v1(7.06,64.57) 7.15,64.57 7.88,63.84
Net-(LED57-DOUT): length 35.2
  Top w0.25: v1(15.1,102.6) 14.39,101.89 ; v1(7.1,83.62) 7.81,84.33
  Bottom w0.25: 7.83,82.89 v1(7.1,83.62) 6.18,83.62 2.65,87.15 2.65,96.47 6.42,100.24 13.14,100.24 13.22,100.17 14.1,100.17 15.1,101.17 v1(15.1,102.6) 14.36,103.33
Net-(LED58-DOUT): length 8.8
  Top w0.25: v1(6.19,102.53) 7.07,103.42 8.38,103.42
  Bottom w0.25: 2.77,101.37 3.94,102.53 v1(6.19,102.53) 6.8,101.92 8.24,101.92
unconnected-(U1-ADC_VREF-Pad35): length 15.2
  Bottom w0.25: U1.35 U1.35
unconnected-(U1-RUN-Pad30): length 15.2
  Bottom w0.25: U1.30 U1.30
unconnected-(U3-ADC_VREF-Pad35): length 15.2
  Top w0.25: 138.23,100.97 122.99,100.97
unconnected-(U3-RUN-Pad30): length 15.2
  Top w0.25: 138.23,88.27 122.99,88.27

## Copper pours and planes (outline as drawn; the poured copper is in the pictures)
GND on Top: 145.17,21.87 134.05,-0.97 77.51,15.03 39.57,15.03 -0.26,29.92 -0.03,108.67 55.83,116.09 145.12,116.42 145.17,29.72
GND on Bottom: 147.42,21.65 158.49,-0.97 215.03,15.03 252.97,15.03 292.8,29.92 292.57,108.67 236.71,116.09 147.47,116.55 147.42,22.32
VDC on Top: 147.4,22.22 158.09,0.8 160.14,0.1 214.84,15.5 252.94,15.5 292.54,30.07 292.54,108.67 233.94,116.25 147.5,116.37 147.4,22.75
VDC on Bottom: 145.15,21.92 134.45,0.82 132.4,0.12 77.7,15.52 39.6,15.52 0,30.1 0,108.7 58.6,116.27 145.1,116.27 145.12,23.92

Small or netless copper shapes (teardrops, artwork), in the pictures only: 4 on Top

## Text on the board
Bottom: rev. werle | v3.5.x
B.Silkscreen: Sofle-Pico-Choc - Neff+Werle / https://soflepico.com/ / OG Sofle - Josef Adamcik / https://josefadamcik.github.io/SofleKeyboard | GP21 | 3V3_EN | GP22 | GP27 | GP26 | GP20 | GP19 | GP18 | 3V3 | FACE USB JACK / AWAY FROM BOARD. / INSERT INTO OUTLINE. / SOLDER OTHER SIDE. | ${CURRENT_DATE} ${REVISION}
User.Eco1: s6 | s18 | s24 | s12 | s17 | s23 | s5 | s11 | s10 | s4 | s22 | s30 | s16 | s29 | s9 | s3 | s15 | s21 | s8 | s2 | s14 | s20 | s28 | s1 | s7 | s13 | s19 | s27 | s26
Top: rev. werle | v3.5.x
F.Silkscreen: Sofle-Pico-Choc - Neff+Werle / https://soflepico.com/ / OG Sofle - Josef Adamcik / https://josefadamcik.github.io/SofleKeyboard | GP22 | GP21 | GP27 | GP26 | GP18 | 3V3 | GP20 | GP19 | 3V3_EN | GND | FACE USB JACK / AWAY FROM BOARD. / INSERT INTO OUTLINE. / SOLDER OTHER SIDE. | ${CURRENT_DATE} ${REVISION} | JLCJLCJLCJLC
